# Altium PCB 111.PcbDoc
Units mil, origin at the board's own origin, x right, y up, seen from the top; angles counter-clockwise.
Board outline 2086.61 x 1181.1 mil, 2 copper layers (Top Layer, Bottom Layer); 48 components, 44 nets, 200 pads, 195 vias.
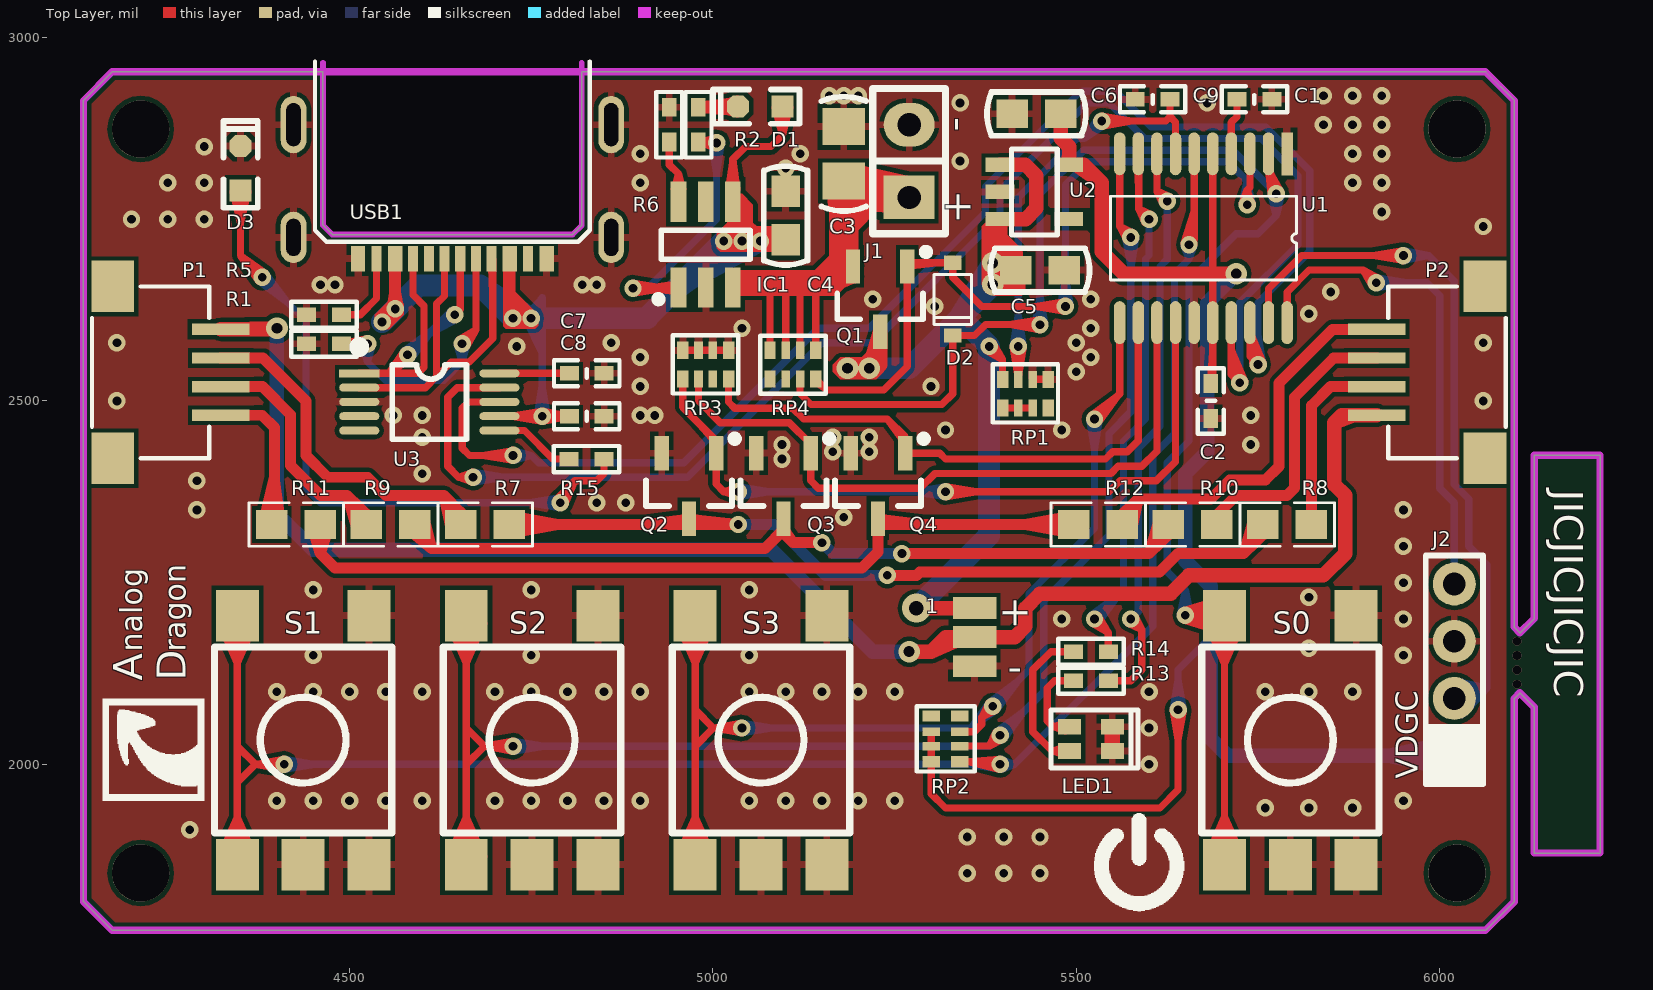
[diagram p0: Top Layer view]
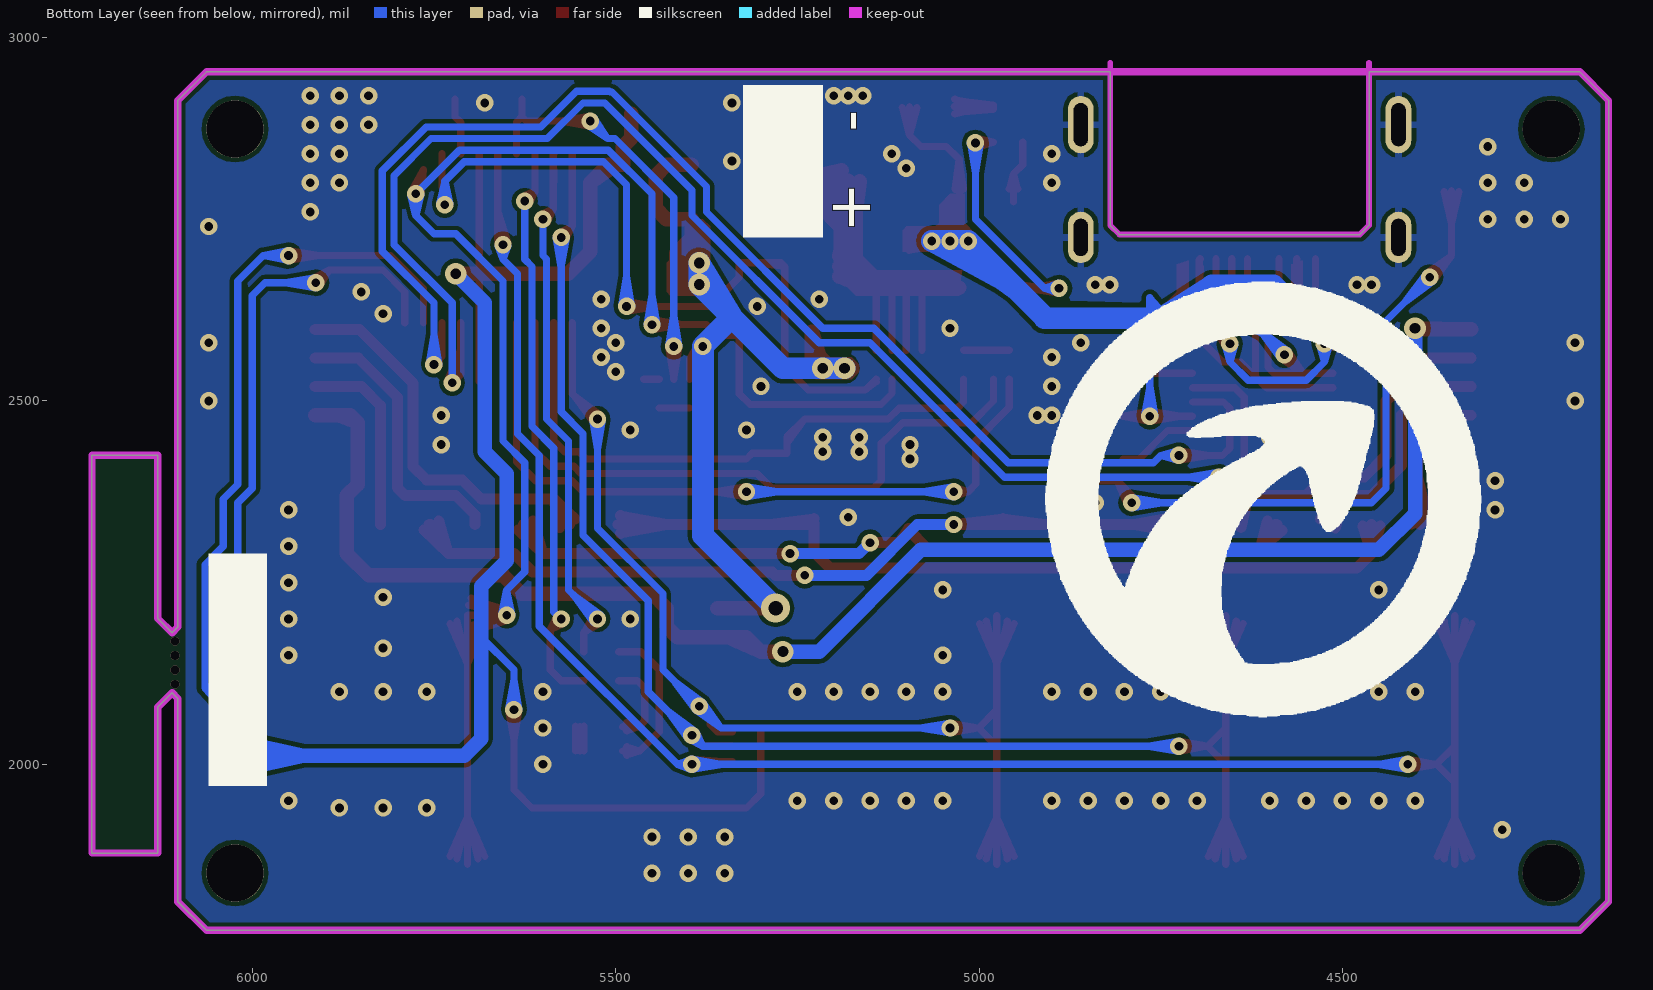
[diagram p1: Bottom Layer view, seen from below]
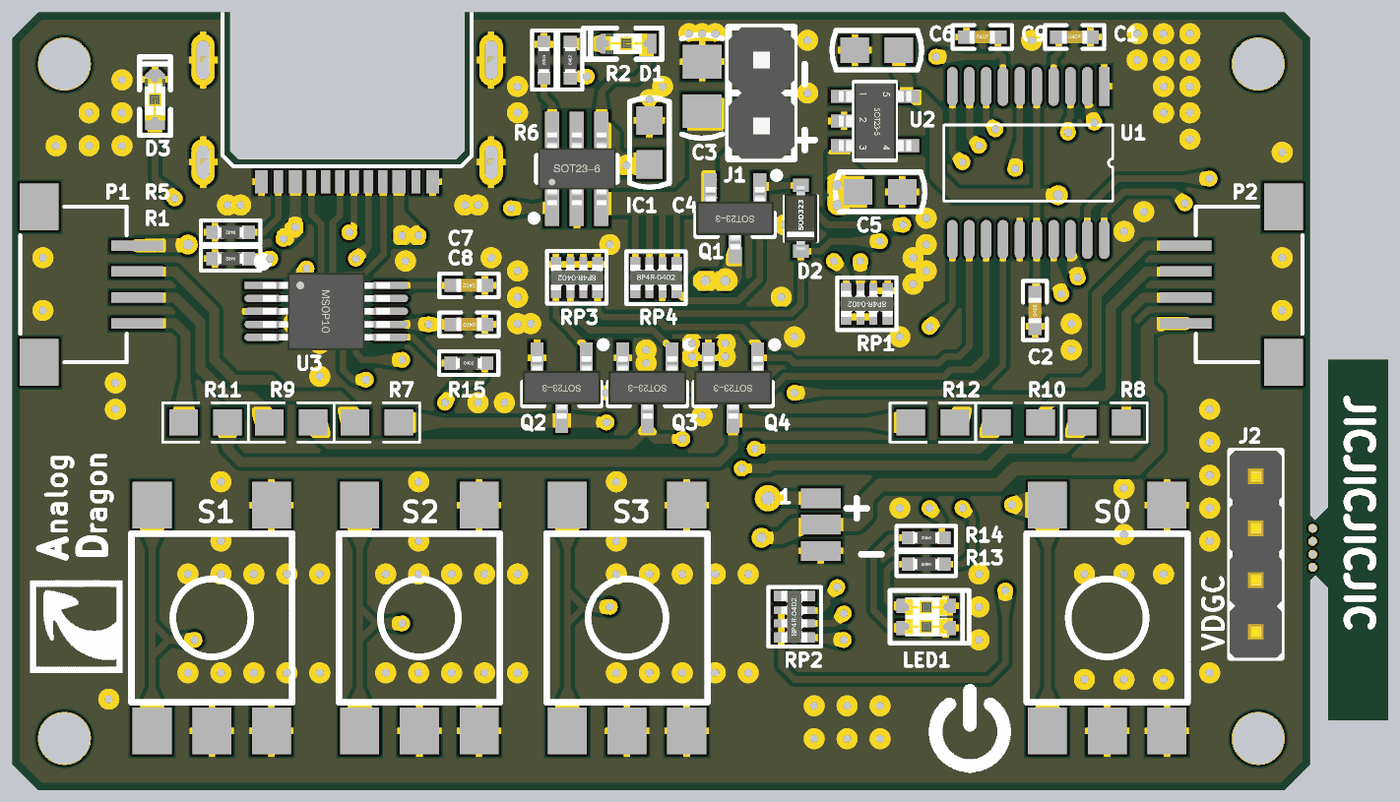
[diagram p2: 3D render of the assembled board from above, using the file's embedded part models]

## Layer stack, top to bottom
Top Layer: signal copper 1.4
Dielectric: dielectric 12.6, FR-4, Dk 4.8
Bottom Layer: signal copper 1.4

## Board outline
6062.99,1771.65 6102.36,1811.02 6102.36,2090.55 6110.24,2098.43 6129.92,2078.74 6129.92,1877.95 6220.47,1877.95 6220.47,2425.2 6129.92,2425.2 6129.92,2200.79 6110.24,2181.1 6102.36,2188.98 6102.36,2913.39 6062.99,2952.76 4819.65,2952.76 4819.65,2741.73 4806.85,2728.94 4476.14,2728.94 4463.35,2741.73 4463.35,2952.76 4173.23,2952.76 4133.86,2913.39 4133.86,1811.02 4173.23,1771.65

## Design rules (kind name [scope] priority, off if disabled: settings)
Clearance [All] p1: gap=6
PolygonConnect PolygonConnect_1 [IsVia] p1: connectstyle=Direct reliefconductorwidth=10 reliefentries=4 polygonreliefangle="90 Angle" airgapwidth=10
PolygonConnect [All] p2: connectstyle=Relief reliefconductorwidth=10 reliefentries=4 polygonreliefangle="90 Angle" airgapwidth=6
RoomDefinition 111 [InComponentClass('111')] p1: confinementstyle=ConfineIn formatcopy=TRUE lockcomponents=FALSE outline 4094.49,1732.28 6141.73,1732.28 6141.73,2992.13 4094.49,2992.13
RoutingVias [All] p1: holewidth=28 width=50 viastyle="Through Hole" minholewidth=28 minwidth=50 maxholewidth=28 maxwidth=50
SolderMaskExpansion [All] p1: expansion=4
Width [All] p1: maxlimit=100 minlimit=10 preferedwidth=10
28 further rules are at their usual default settings.

## Components (designator, comment, footprint, x,y, rotation, side; value= is the part's Value field where it differs from the comment)
1 "DEBUG_3pin" DEBUG_3pim 5360,2135 r90 top
C1 "104" "C 0402_M" 5745,2915 r0 top
C2 "104" "C 0402_M" 5685,2500 r90 top
C3 "Cap" C-RAD-0805 5180,2840 r270 top
C4 "Cap" C-RAD-0603 5100,2755 r270 top
C5 "Cap" C-RAD-0603 5450,2680 r180 top
C6 "Cap" C-RAD-0603 5445,2895 r0 top
C7 "104" "C 0402_M" 4826.38,2537.99 r180 top
C8 "104" "C 0402_M" 4826.38,2478.94 r180 top
C9 "104" "C 0402_M" 5605,2915 r0 top
D1 "红色" "LED 0603R" 5065,2905 r180 top
D2 "1N4148" SOD-323 5330,2690 r270 top
D3 "红色" "LED 0603R" 4350,2820 r90 top (schematic designator D1)
IC1 "TP4057" SOT23-6M 4990,2715 r0 top
J1 "Pin HDR1X2" "Pin HDR1X2/2.54mm-S" 5270,2780 r180 top
J2 "HDR-1X4" HDR2.0-LI-4P 6020,2130 r90 top
LED1 "0603" "LED 0603-RG" 5520,2035 r0 top
P1 "P" SH1.0_4pin 4322.83,2598.43 r270 top
P2 "P" SH1.0_4pin 5913.39,2480.32 r90 top
Q1 "SI2301" SOT23-3N 5230,2640 r180 top
Q2 "SI2302" SOT23-3N 4967,2383 r180 top
Q3 "SI2302" SOT23-3N 5097,2383 r180 top
Q4 "SI2302" SOT23-3N 5227,2383 r180 top
R1 "5K1" "R 0402_M" 4464.8,2578.62 r180 top
R2 "1K" "R 0402_M" 4980,2880 r90 top
R5 "5K1" "R 0402_M" 4464.8,2618.62 r180 top
R6 "1K" "R 0402_M" 4940,2880 r270 top
R7 "Res1" 0603-1 4686.54,2330 r180 top
R8 "Res1" 0603-1 5790,2330 r0 top
R9 "Res1" 0603-1 4556.54,2330 r180 top
R10 "Res1" 0603-1 5660,2330 r0 top
R11 "Res1" 0603-1 4426.54,2330 r180 top
R12 "Res1" 0603-1 5530,2330 r0 top
R13 "1K" "R 0402_M" 5520,2115 r180 top
R14 "1K" "R 0402_M" 5520,2155 r180 top
R15 "1K" "R 0402_M" 4826,2419.94 r0 top (schematic designator R2)
RP1 "103" RCA-8P4R-0402 5430,2510 r180 top
RP2 "103" RCA-8P4R-0402 5320,2035 r90 top
RP3 "103" RCA-8P4R-0402 4990,2550 r180 top
RP4 "103" RCA-8P4R-0402 5110,2550 r0 top
S0 "SW-6*6 5P" SW6*6 5885.83,2204.09 r270 top
S1 "SW-6*6 5P" SW6*6 4527.56,2204.09 r270 top
S2 "SW-6*6 5P" SW6*6 4842.52,2204.09 r270 top
S3 "SW-6*6 5P" SW6*6 5157.48,2204.09 r270 top
U1 "STM32F030F4" TSSOP20 5790,2840 r270 top
U2 "ldo3.3v" SOT23-5 5395,2825 r0 top
U3 "CH340E" MSOP10_M 4609.84,2498.62 r270 top
USB1 "TYPE-C" TYPE-C 4511.42,2695.47 r0 top

## Footprints (in the part's own frame and the unit in brackets; to place one, negate y for a bottom-side part, rotate by r counter-clockwise, add the part's x,y. Pads: shape width x height; smd on the part's side, far side on the other; paste and mask are expansions set on the pad)
0603-1 [mm] "贴片带丝印"
  rect 1.1x1 smd: 1(-0.85,0) 2(0.85,0)
  silkscreen extent -1.65,-0.76 1.65,0.76, body extent -1.14,-0.38 1.14,0.38, height 1
"C 0402_M" [mil] "无极性贴片电容"
  rect 26x20 smd: 1(-24,0) 2(24,0)
  silkscreen extent -45,-18 45,18, body extent -20,-10 20,10, height 21
C-RAD-0603 [mm] "贴片电容"
  rect 1.1x1 smd: 1(-0.85,0) 2(0.85,0)
  silkscreen extent -1.73,-0.76 1.73,0.76, body extent -1.14,-0.38 1.14,0.38, height 1
C-RAD-0805 [mm] "贴片电容"
  rect 1.3x1.5 smd: 1(-0.95,0) 2(0.95,0)
  silkscreen extent -2,-0.79 2,0.79, body extent -1.27,-0.64 1.27,0.64, height 0.9
DEBUG_3pim [mil]
  rect 30x60 smd: 1(0,0) 2(40,0) 3(80,0)
HDR2.0-LI-4P [mm] "直插，脚距：2.0mm"
  rect 1.5x1.5 hole 0.8: 1(-3,0)
  round 1.5 hole 0.8: 2(-1,0) 3(1,0) 4(3,0)
  silkscreen extent -4,-1 4,1, body extent -4,-1 4,1, height 6.5
"LED 0603-RG" [mm] "1.5x1.6 mm"
  rect 0.8x0.55 smd: 1(-0.75,0.425) 2(-0.75,-0.425) 3(0.75,-0.425) 4(0.75,0.425)
  silkscreen extent -1.4,-1.02 1.65,1.02, body extent -0.8,-0.75 0.8,0.75, height 0.58
"LED 0603R" [mil] "红色0603LED"
  rect 30x30 smd: 1(-30.59,0)
  oct 30x30 smd: 2(30.59,0)
  silkscreen extent -54,-24 65,24, body extent -31,-16 32,16, height 24
MSOP10_M [mm] "塑封体长3mm，宽3mm，脚距0.5"
  rect 0.28x1.4 smd: 1(-1,-2.45)
  oval 0.28x1.4 smd: 2(-0.5,-2.45) 3(0,-2.45) 4(0.5,-2.45) 5(1,-2.45) 6(1,2.45) 7(0.5,2.45) 8(0,2.45) 9(-0.5,2.45) 10(-1,2.45)
  silkscreen extent -2.07,-2.6 1.3,1.3, body extent -1.5,-2.45 1.5,2.45, height 0.95
"Pin HDR1X2/2.54mm-S" [mil]
  rect 70x60 hole 32: 1(0,0)
  oval 70x60 hole 32: 2(0,-100)
  silkscreen extent -50,-150 50,50, body extent -50,-150 50,50, height 336
"R 0402_M" [mil] "1/16W贴片电阻"
  rect 26x20 smd: 1(-24,0) 2(24,0)
  silkscreen extent -45,-18 45,18, body extent -20,-10 20,10, height 12
RCA-8P4R-0402 [mm] "2mm*1mm*0.45mm(长*宽*厚)"
  rect 0.4x0.6 smd: 1(-0.8,-0.5) 4(0.8,-0.5) 5(0.8,0.5) 8(-0.8,0.5)
  rect 0.3x0.6 smd: 2(-0.25,-0.5) 3(0.25,-0.5) 6(0.25,0.5) 7(-0.25,0.5)
  silkscreen extent -1.14,-1.02 1.15,1.01, body extent -1,-0.5 1,0.5, height 0.45
SH1.0_4pin [mm]
  rect 1.8x1.5 smd: 0(-1.5,-3.775) 0(4.5,-3.775)
  rect 0.4x2 smd: 1(0,0) 2(1,0) 3(2,0) 4(3,0)
  silkscreen extent -1.5,-4.5 4.5,-0.4
SOD-323 [mm] "塑封二极管"
  rect 0.5x0.6 smd: A(0,0) K(2.54,0)
  silkscreen extent 0.41,-0.65 2.16,0.65, body extent 0.02,-0.64 2.52,0.62, height 0.9
SOT23-3N [mm] "3x1.3x1mm(长宽高)"
  rect 0.5x1.2 smd: 1(-0.95,-1.143) 2(0.95,-1.143) 3(0,1.143)
  silkscreen extent -1.73,-1.78 1.5,0.7, body extent -1.5,-1.2 1.5,1.2, height 1.05
SOT23-5 [mm]
  rect 1x0.5 smd: 1(0,0) 2(0,-0.95) 3(0,-1.9) 4(2.4,-1.9) 5(2.4,0)
  silkscreen extent 0.4,-2.45 2,0.55, body extent -0.2,-2.4 2.6,0.5, height 1.09
SOT23-6M [mm] "3x1.6x1.1mm(长宽高)"
  rect 0.55x1.4 smd: 1(-0.95,-1.5) 2(0,-1.5) 3(0.95,-1.5) 4(0.95,1.5) 5(0,1.5) 6(-0.95,1.5)
  silkscreen extent -1.78,-2.03 1.55,0.51, body extent -1.5,-1.4 1.5,1.4, height 1.15
SW6*6 [mm]
  rect 1.8x1.5 smd: 1(-0.013,-0.021) 2(-0.013,-4.621) 3(8.687,-4.621) 4(8.687,-0.021) 5(8.687,-2.321)
  silkscreen extent 1.09,-5.42 7.59,0.78
TSSOP20 [mm]
  rect 1.5x0.4 smd: 1(0,0)
  oval 1.5x0.4 smd: 2(0,-0.65) 3(0,-1.3) 4(0,-1.95) 5(0,-2.6) 6(0,-3.25) 7(0,-3.9) 8(0,-4.55) 9(0,-5.2) 10(0,-5.85) 11(5.9,-5.85) 12(5.9,-5.2) 13(5.9,-4.55) 14(5.9,-3.9) 15(5.9,-3.25) 16(5.9,-2.6) 17(5.9,-1.95) 18(5.9,-1.3) 19(5.9,-0.65) 20(5.9,0)
  silkscreen extent 1.48,-6.18 4.42,0.33
TYPE-C [mm]
  rect 0.35x0.9 smd: CC1(4.129,0) CC2(0.654,0) D+1(3.579,0) D+2(1.929,0) D-1(4.679,0) D-2(3.029,0) SBU1(2.479,0) SBU2(5.954,0)
  oval 0.9x1.8 hole 0.5 slot 1.3 at 90 deg: GND(-2.246,0.75) GND(8.854,0.75)
  oval 0.9x2 hole 0.5 slot 1.5 at 90 deg: GND(-2.246,4.69) GND(8.854,4.69)
  rect 0.5x0.9 smd: GND(0.004,0) GND(6.604,0) VBUS(1.304,0) VBUS(5.304,0)
  Keep-Out Layer lines w0.2: -1.221,6.85 -1.221,1.175 -0.896,0.85 5.904,0.85 7.504,0.85 7.829,1.175 7.829,6.85
  silkscreen extent -1.5,0.6 8.1,6.9

## Part data
C1 C2 C7 C8 C9: library part C, "无极性贴片电容"
C3 C4 C5 C6: "无极性电容"
D1 D3: library part LED-SMD, "贴片LED"
D2: "高速开关二极管"
J2: library part "Header 4", "4P接插件"
LED1: library part LED-SMD-RG, "贴片双色LED"
P1 P2: library part SH1.0-4
Q1: "P沟道 20V/2.8A"
Q2 Q3 Q4: "N沟道 20V/3A"
R1 R2 R5 R6 R13 R14 R15: library part R, "贴片电阻"
R7 R8 R9 R10 R11 R12: "贴片电阻"
RP1 RP2 RP3 RP4: library part R-8P4R, "贴片网络排阻"
S0 S1 S2 S3: "微动开关"
U2: library part Component_1
USB1: library part USB-C

## Free pads (board coordinates)
  round 78.74 hole 78.74: 1(4212.6,1850.39) 1(4212.6,2874.02) 1(6023.62,1850.39) 1(6023.62,2874.02)

## Via types
v1: diameter 24, hole 12, Top Layer to Bottom Layer, 183 vias
v2: diameter 30, hole 15, Top Layer to Bottom Layer, 7 vias
v3: diameter 12, hole 12, Top Layer to Bottom Layer, 4 vias
v4: diameter 40, hole 20, Top Layer to Bottom Layer, 1 vias

## Nets (pads, with @x,y where several pads share a name; then routed paths per layer and width w, separated by ;. In a path a pad name is that pad's centre, name@x,y a point inside that pad or via, vN(x,y) a via of type N, cw(c..) or ccw(c..) an arc to the next point about the centre after c; other vN are vias at no path point)
AD: C9.2 RP1.3 U1.7 | length 1155.3
  Top Layer w10: v1@5413.03,2574.35 RP1.3@5420.16,2535.59 ; v1@5413.03,2574.39 RP1.3@5420.16,2533 ; RP1.3 5420.16,2574.84 v1(5420,2575) ; v1@5420.16,2571.5 RP1.3@5420.16,2535.59 ; v1@5426.97,2574.41 RP1.3@5420.16,2535.59 ; v1@5426.98,2574.44 RP1.3@5420.16,2533 ; v1(5535,2885) 5623,2885 5629,2891 ; v1@5535.58,2878.02 5577,2885 v1@5535.58,2891.98 ; C9.2 5629,2891 ; U1.7 5636.46,2883.54 ; U1.7@5636.46,2861.65 5636.46,2883.54 ; v1(5420,2575) RP1.3@5420.16,2533 ; v1(5420,2575) RP1.3@5420.16,2535.59 ; 5629,2891 5636.46,2883.54
  Bottom Layer w10: v1@5413.02,2575.58 5420,2617 v1@5426.98,2575.58 ; v1(5420,2575) 5420,2780 5501,2861 5511,2861 ; v1@5529.57,2889.41 5511,2861 ; v1@5539.41,2879.57 5511,2861 ; 5511,2861 v1(5535,2885) 5511,2861
BLUE: Q4.1 RP3.8 U1.12 | length 921.2
  Top Layer w10: RP3.8@5021.5,2526.38 5021.5,2498.5 ; RP3.8 5021.5,2498.5 ; Q4.1@5264.4,2441.78 5240,2475 ; 5585.28,2548.19 U1.12@5585.28,2586.06 ; U1.12 5585.28,2445.28 5570,2430 5550,2430 5540,2420 5320,2420 5312,2428 Q4.1 5264.4,2450.6 5240,2475 ; 5021.5,2498.5 5030,2490 5110,2490 5125,2475 5240,2475
BLUE1: P1.4 R11.2 | length 436.1
  Top Layer w15: P1.4 4379.69,2480.32 ; P1.4@4354.33,2480.32 4379.69,2480.32 ; R11.2@4381.02,2331.79 4396.54,2394.95 ; R11.2@4405.25,2330.49 4396.54,2394.95 ; 4379.69,2480.32 4396.54,2463.46 4396.54,2333.46 R11.2 4396.54,2394.95
BLUE2: P2.4 R12.2 | length 685.7
  Top Layer w15: R12.2@5555.82,2337.49 5585,2365 ; R12.2 5563.46,2343.46 5585,2365 ; R12.2@5565.43,2330 5585,2365 ; R12.2@5576.85,2325.74 5585,2365 ; P2.4@5881.89,2598.43 5852.66,2598.43 ; P2.4 5852.66,2598.43 ; 5585,2365 5685,2365 5711,2391 5760,2391 5779,2410 5779,2524.76 5852.66,2598.43
CLK: J2.4 U1.20 | length 863.3
  Top Layer w10: U1.20 5790,2650 ; U1.20@5790,2629.37 5790,2650 ; v1@5906.9,2658.3 5895,2680 ; v1@5916.7,2668.1 5895,2680 ; 5790,2650 5820,2680 5895,2680 ; 5895,2680 v1(5912.5,2662.5) 5895,2680
  Bottom Layer w10: v1(5912.5,2662.5) 5982.5,2662.5 6000,2645 6000,2380 6020,2360 J2.4 ; v1@5913.08,2655.52 5954.5,2662.5 v1@5913.08,2669.48
D+: U3.1 USB1.D+1 USB1.D+2 | length 890.8
  Top Layer w10: U3.1 4554.17,2537.99 ; U3.1@4535.43,2537.99 4554.17,2537.99 ; v1@4574.4,2568.07 4554.17,2537.99 ; v1@4584.25,2558.22 4554.17,2537.99 ; 4587.36,2647.76 USB1.D+2@4587.36,2684.65 ; USB1.D+2 4587.36,2646.06 4602.3,2631.12 4602.3,2546.12 4594.17,2537.99 4554.17,2537.99 ; v1(4644.8,2618.62) 4652.32,2626.14 USB1.D+1 ; 4652.32,2647.76 USB1.D+1@4652.32,2684.65 ; 4554.17,2537.99 v1(4579.8,2563.62) 4554.17,2537.99
  Bottom Layer w10: v1@4575.24,2568.93 4613.02,2596.84 v1@4585.11,2559.05 ; v1(4579.8,2563.62) 4634.8,2618.62 v1(4644.8,2618.62) 4606.27,2590.09 ; v1@4640.24,2623.93 4606.27,2590.09 ; v1@4648.55,2612.71 4606.27,2590.09
D-: U3.2 USB1.D-1 USB1.D-2 | length 597.5
  Top Layer w10: U3.2 4604.49,2518.31 4619.8,2533.62 ; U3.2@4535.43,2518.31 4570.94,2518.31 ; 4630.67,2647.76 USB1.D-2@4630.67,2684.65 ; USB1.D-2 4630.67,2644.49 4619.8,2633.62 4619.8,2533.62 ; USB1.D-1@4695.63,2684.65 4696.98,2647.72 ; USB1.D-1 4696.98,2694.13 4696.98,2585.8 4664.8,2553.62 4639.8,2553.62 4619.8,2533.62
DIO: J2.2 U1.19 | length 1656.2
  Top Layer w10: U1.19 5764.41,2654.41 ; U1.19@5764.41,2629.37 5764.41,2654.41 ; v1@5949.42,2693.02 5908,2700 v1@5949.42,2706.98 ; v1(5950,2700) 5810,2700 5764.41,2654.41
  Bottom Layer w10: v1(5950,2700) 5985,2700 ; v1@5950.7,2693.04 5985,2700 ; v1@5950.7,2706.96 5985,2700 ; J2.2@6017.76,2104.98 6065,2105 ; J2.2@6018.86,2115.13 6065,2105 ; J2.2@6026.49,2077.64 6065,2105 ; J2.2@6033.27,2070 6065,2105 ; 5985,2700 6020,2665 6020,2385 6040,2365 6040,2300 6065,2275 6065,2105 ; J2.2 6050.63,2090.63 ; J2.2 6065,2105 ; J2.2 6050.63,2090.63 ; 6050.63,2090.63 6065,2105 ; 6050.63,2090.63 6029.82,2113.11 6050.63,2090.63 ; 6050.63,2090.63 6029.82,2068.15 6050.63,2090.63 ; 6050.63,2090.63 6023.45,2104.74 6050.63,2090.63 ; 6050.63,2090.63 6023.45,2076.52 6050.63,2090.63
GND: 1.1 C1.2 C2.1 C3.1 C4.1 C5.1 C6.1 C7.1 C8.1 C9.1 D3.2 IC1.2 J1.2 J2.3 LED1.3 LED1.4 Q2.2 Q3.2 Q4.2 R1.2 R5.2 R6.1 RP1.1 RP1.2 RP3.1 RP3.2 RP3.3 RP3.4 S0.1 S0.4 S0.5 S1.1 S1.4 S1.5 S2.1 S2.4 S2.5 S3.1 S3.4 S3.5 U1.1 U1.15 U2.2 U3.3 USB1.GND | length 407.5
  Top Layer w10: RP3.4 RP3.3 RP3.2 RP3.1 ; LED1.4@5543.73,2051.23 LED1.3 ; LED1.4@5543.73,2052.25 LED1.3@5543.73,2018.78 ; LED1.4@5543.91,2050.23 LED1.3@5555.34,2018.78 ; LED1.4@5555.16,2050.23 LED1.3@5543.73,2018.78 ; LED1.4@5555.34,2051.23 LED1.3 ; LED1.4@5555.34,2052.25 LED1.3@5555.34,2018.78 ; LED1.3@5543.73,2018.78 LED1.4 ; LED1.3 LED1.4 ; LED1.4 LED1.3@5555.34,2018.78 ; RP1.2 RP1.1 RP1.2
  other v1: 5350,1850 5400,1850 5450,1850 5350,1900 5400,1900 5450,1900 4280,1910 5760,1940 5820,1940 5880,1940 4400,1950 4450,1950 4500,1950 4550,1950 4600,1950 4700,1950 4750,1950 4800,1950 4850,1950 4900,1950 5050,1950 5100,1950 5150,1950 5200,1950 5250,1950 5950,1950 5600,2000 5600,2050 4400,2100 4450,2100 4500,2100 4550,2100 4600,2100 4700,2100 4750,2100 4800,2100 4850,2100 4900,2100 5050,2100 5100,2100 5150,2100 5200,2100 5250,2100 5600,2100 5760,2100 5820,2100 5880,2100 4450,2150 4750,2150 5050,2150 5950,2150 5820,2160 5480,2200 5950,2200 5820,2230 4450,2240 4750,2240 5050,2240 5950,2250 5950,2300 5180,2340 4290,2350 5950,2350 4840,2360 4880,2360 4290,2390 4600,2400 5095,2420 5165,2430 5215,2430 5095,2440 5740,2440 4600,2450 5165,2450 5215,2450 5320,2460 5480,2460 4560,2480 4600,2480 4900,2480 4920,2480 5740,2480 4180,2500 6060,2500 4900,2520 5300,2520 5500,2540 4900,2560 5520,2560 4730,2575 4180,2580 4860,2580 5500,2580 6060,2580 5040,2600 5520,2600 5820,2620 5305,2630 5220,2640 5520,2640 5850,2650 4460,2660 4480,2660 4820,2660 4840,2660 6060,2740 4200,2750 4250,2750 4300,2750 5920,2760 4250,2800 4300,2800 4900,2800 5880,2800 5920,2800 5100,2820 5340,2830 4900,2840 5120,2840 5880,2840 5920,2840 4300,2850 5840,2880 5880,2880 5920,2880 5340,2910 5680,2910 5160,2920 5180,2920 5200,2920 5840,2920 5880,2920 5920,2920
GREEN: Q3.1 RP3.6 U1.13 | length 1063.2
  Top Layer w10: RP3.6@4980.16,2524.41 4980.16,2499.84 ; RP3.6 4980.16,2499.84 ; 5106.15,2468.85 Q3.1@5134.4,2441.78 ; Q3.1@5134.4,2414.22 5134.4,2390.6 ; 5610.87,2548.19 U1.13@5610.87,2586.06 ; U1.13 5610.87,2430.87 5590,2410 5557.37,2410 5547.37,2400 5305,2400 5285,2380 5145,2380 5134.4,2390.6 ; 4980.16,2499.84 5010,2470 5105,2470 5134.4,2440.6 Q3.1 5134.4,2390.6
GREEN1: P1.3 R9.2 | length 481
  Top Layer w15: P1.3 4380.31,2519.68 ; P1.3@4354.33,2519.68 4380.31,2519.68 ; R9.2@4509.98,2325.02 4496.54,2370 ; R9.2@4521.1,2330 4496.54,2370 ; R9.2@4523.07,2343.46 4496.54,2370 ; R9.2@4530.57,2337.67 4496.54,2370 ; 4380.31,2519.68 4419,2481 4419,2411 4460,2370 4496.54,2370
GREEN2: P2.3 R10.2 | length 423.7
  Top Layer w15: R10.2 5693.46,2343.46 5720,2370 5790,2370 5800,2380 5800,2505 5854.06,2559.06 ; P2.3@5881.89,2559.06 5854.06,2559.06 ; P2.3 5854.06,2559.06
KEY1: RP2.1 S1.2 S1.3 U1.6 | length 3908.4
  Top Layer w10: S1.3@4321.63,1873.05 4345.63,1927.52 ; S1.2@4321.63,2193.65 4345.63,2139.17 ; S1.3@4331.21,1869.76 4345.63,1927.52 ; S1.2@4331.21,2196.93 4345.63,2139.17 ; S1.3 4345.63,1975 ; S1.3@4345.63,1867.99 4345.63,1927.52 ; S1.2@4345.63,2198.7 4345.63,2139.17 ; S1.2 4345.63,2025 ; S1.3@4360.05,1869.76 4345.63,1927.52 ; S1.2@4360.05,2196.93 4345.63,2139.17 ; S1.3@4369.63,1873.05 4345.63,1927.52 ; S1.2@4369.63,2193.65 4345.63,2139.17 ; v1@4409.38,1993.03 4370.63,2000 ; v1@4409.38,2006.97 4370.63,2000 ; v1(4410,2000) 4370.63,2000 ; RP2.1 5391.5,2003.5 v1(5395,2000) ; RP2.1@5343.62,2003.5 5381.5,2003.5 ; v1@5391.6,1993.88 5381.5,2003.5 ; v1@5648.19,2716.61 5662.05,2760.12 ; v1@5661.98,2714.45 5662.05,2760.12 ; 5662.05,2780.47 U1.6@5662.05,2818.35 ; U1.6 5662.05,2722.05 v1(5655,2715) 5662.05,2760.12 ; 4345.63,1975 4345.63,2025 ; 4345.63,1975 4370.63,2000 ; 4345.63,2025 4370.63,2000 ; 5352.57,2003.5 5393.85,1993.09 5352.7,2003.5 ; 5352.57,2003.5 v1@5395,2007 ; 5352.57,2003.5 v1(5395,2000) ; 5352.7,2003.5 v1@5395,2007 ; 5352.7,2003.5 v1(5395,2000) ; 5381.5,2003.5 v1@5395,2007 ; 5381.5,2003.5 v1(5395,2000)